# Altium PCB BoardM.PcbDoc (part 1 of 6) (continued)
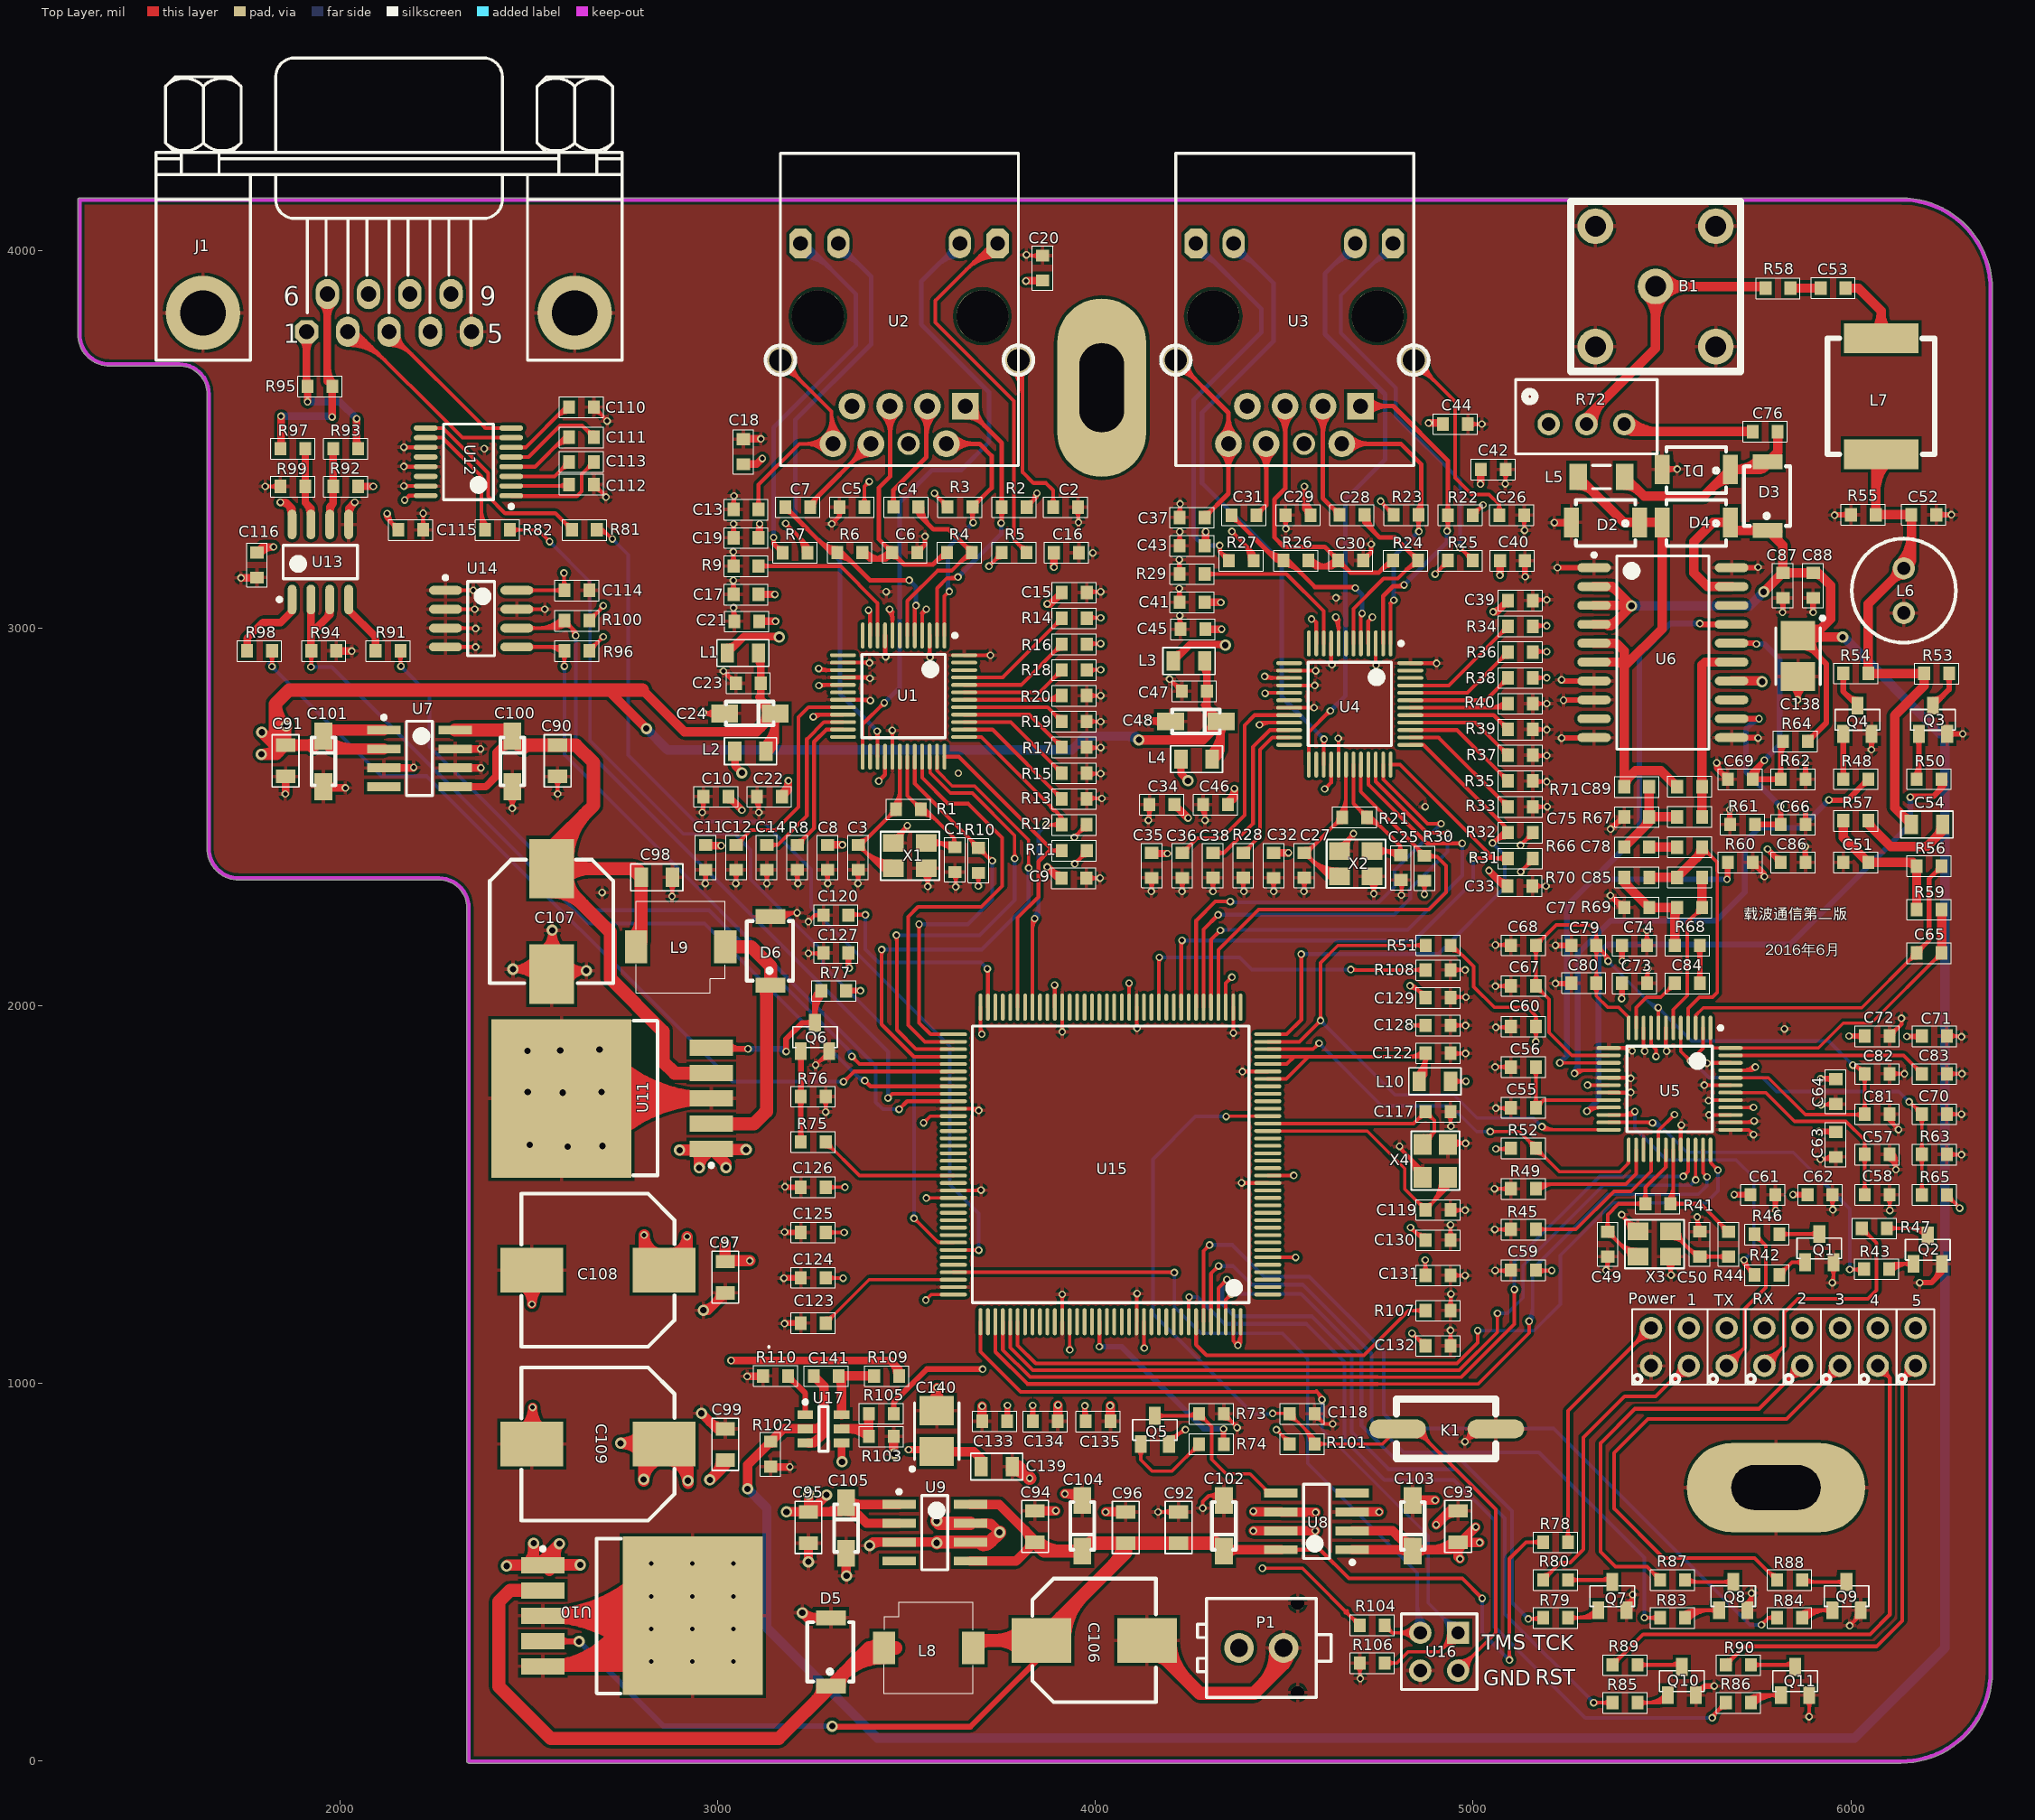
[diagram p0: Top Layer view]
## Components (designator, comment, footprint, x,y, rotation, side; value= is the part's Value field where it differs from the comment)
1 "LED" 外插小灯 5571,1147 r270 top (schematic designator LED4)
2 "LED" 外插小灯 5871,1147 r270 top (schematic designator LED5)
3 "LED" 外插小灯 5971,1147 r270 top (schematic designator LED6)
4 "LED" 外插小灯 6071,1147 r270 top (schematic designator LED7)
5 "LED" 外插小灯 6171,1147 r270 top (schematic designator LED8)
B1 "BNC" BNC 5483.98,3903.45 r0 top
C1 "Capacitor-0603" 0603 3628,2354 r90 top (schematic designator C25)
C2 "Capacitor-0603" 0603 3888,3320 r0 top (schematic designator C26)
C3 "Capacitor-0603" 0603 3372,2360 r90 top (schematic designator C27)
C4 "Capacitor-0603" 0603 3531.35,3320.56 r180 top (schematic designator C28)
C5 "Capacitor-0603" 0603 3322.25,3320 r0 top (schematic designator C29)
C6 "Capacitor-0603" 0603 3527.85,3200 r180 top (schematic designator C30)
C7 "Capacitor-0603" 0603 3179,3320 r0 top (schematic designator C31)
C8 "Capacitor-0603" 0603 3290.75,2425.85 r270 top (schematic designator C32)
C9 "Capacitor-0603" 0603 3910,2338 r0 top (schematic designator C33)
C10 "Capacitor-0603" 0603 3028,2554 r180 top (schematic designator C34)
C11 "Capacitor-0603" 0603 2968,2425.85 r270 top (schematic designator C35)
C12 "Capacitor-0805" 0603 3048.69,2425.85 r270 top (schematic designator C36)
C13 "Capacitor-0603" 0603 3108,3314 r180 top (schematic designator C37)
C14 "Capacitor-0603" 0603 3129.94,2360 r90 top (schematic designator C38)
C15 "Capacitor-0603" 0603 3911,3094 r0 top (schematic designator C39)
C16 "Capacitor-0603" 0603 3890,3199.44 r0 top (schematic designator C40)
C17 "Capacitor-0603" 0603 3108,3089.42 r180 top (schematic designator C41)
C18 "Capacitor-0603" 0603 3068,3434 r90 top (schematic designator C42)
C19 "Capacitor-0603" 0603 3108,3239.14 r180 top (schematic designator C43)
C20 "Capacitor-0603" 0603 3860,3920 r90 top (schematic designator C44)
C21 "Capacitor-0603" 0603 3110,3018 r180 top (schematic designator C45)
C22 "Capacitor-0603" 0603 3170,2554 r180 top (schematic designator C46)
C23 "Capacitor-0603" 0603 3048,2854 r0 top (schematic designator C47)
C24 "电解电容" 钽电容1206（A3216） 3148,2774 r180 top (schematic designator C48)
C25 "Capacitor-0603" 0603 4809,2333 r90 top
C26 "Capacitor-0603" 0603 5069,3299 r0 top
C27 "Capacitor-0603" 0603 4553,2339 r90 top
C28 "Capacitor-0603" 0603 4712.35,3299.56 r180 top
C29 "Capacitor-0603" 0603 4503.25,3299 r0 top
C30 "Capacitor-0603" 0603 4708.85,3179 r180 top
C31 "Capacitor-0603" 0603 4360,3299 r0 top
C32 "Capacitor-0603" 0603 4471.75,2404.85 r270 top
C33 "Capacitor-0603" 0603 5091,2317 r0 top
C34 "Capacitor-0603" 0603 4209,2533 r180 top
C35 "Capacitor-0603" 0603 4149,2404.85 r270 top
C36 "Capacitor-0805" 0603 4229.69,2404.85 r270 top
C37 "Capacitor-0603" 0603 4289,3293 r180 top
C38 "Capacitor-0603" 0603 4310.94,2339 r90 top
C39 "Capacitor-0603" 0603 5092,3073 r0 top
C40 "Capacitor-0603" 0603 5071,3178.44 r0 top
C41 "Capacitor-0603" 0603 4289,3068.42 r180 top
C42 "Capacitor-0603" 0603 5020,3420 r0 top
C43 "Capacitor-0603" 0603 4289,3218.14 r180 top
C44 "Capacitor-0603" 0603 4920,3540 r0 top
C45 "Capacitor-0603" 0603 4291,2997 r180 top
C46 "Capacitor-0603" 0603 4351,2533 r180 top
C47 "Capacitor-0603" 0603 4229,2833 r0 top
C48 "电解电容" 钽电容1206（A3216） 4329,2753 r180 top
C49 "Capacitor-0805" 0603 5356,1401.85 r270 top
C50 "Capacitor-0805" 0603 5600,1336 r90 top
C51 "Capacitor-0603" 0603 6045.85,2380 r180 top
C52 "Capacitor-0603" 0603 6160,3300 r0 top
C53 "Capacitor-0603" 0603 5920,3900 r0 top
C54 "Capacitor-0603" 0805 6160,2480 r0 top
C55 "Capacitor-0805" 0603 5100,1730 r0 top
C56 "Capacitor-0805" 0603 5100,1837.5 r0 top
C57 "Capacitor-0805" 0603 6102.57,1606.67 r180 top
C58 "Capacitor-0805" 0603 6102.57,1500 r180 top
C59 "Capacitor-0805" 0603 5100,1300 r0 top
C60 "Capacitor-0805" 0603 5100,1945 r0 top
C61 "Capacitor-0805" 0603 5800,1500 r180 top
C62 "Capacitor-0805" 0603 5951.28,1500 r180 top
C63 "Capacitor-0805" 0603 5960,1600 r90 top
C64 "Capacitor-0805" 0603 5960,1740 r90 top
C65 "Capacitor-0603" 0603 6240,2140 r180 top
C66 "Capacitor-0603" 0603 5880,2480 r180 top
C67 "Capacitor-0805" 0603 5100,2052.5 r0 top
C68 "Capacitor-0805" 0603 5100,2160 r0 top
C69 "Capacitor-0603" 0603 5740,2600 r180 top
C70 "Capacitor-0603" 0603 6253.85,1713.33 r180 top
C71 "Capacitor-0805" 0603 6253.85,1920 r180 top
C72 "Capacitor-0805" 0603 6102.57,1920 r180 top
C73 "Capacitor-0805" 0603 5460,2060 r180 top
C74 "Capacitor-0805" 0603 5460,2160 r180 top
C75 "Capacitor-0603" 0603 5465.85,2500.14 r180 top
C76 "Capacitor-0603" 0603 5740,3520 r0 top
C77 "Capacitor-0603" 0603 5400,2260 r0 top
C78 "Capacitor-0603" 0603 5540,2420 r0 top
C79 "Capacitor-0805" 0603 5260,2160 r0 top
C80 "Capacitor-0805" 0603 5260,2060 r0 top
C81 "Capacitor-0805" 0603 6102.57,1713.33 r180 top
C82 "Capacitor-0805" 0603 6102.57,1820 r180 top
C83 "Capacitor-0805" 0603 6253.85,1820 r180 top
C84 "Capacitor-0603" 0603 5600,2060 r180 top
C85 "Capacitor-0603" 0603 5540,2340 r0 top
C86 "Capacitor-0603" 0603 5880,2380 r180 top
C87 "Capacitor-0603" 0603 5820,3080 r90 top
C88 "Capacitor-0603" 0603 5900,3080 r90 top
C89 "Capacitor-0603" 0603 5540,2580 r0 top
C90 "Capacitor-0805" 0805 2576,2690 r270 top
C91 "Capacitor-0805" 0805 1856,2690 r270 top
C92 "Capacitor-0805" 0805 4220,577.32 r90 top
C93 "Capacitor-0805" 0805 4960,580 r90 top
C94 "Capacitor-0805" 0805 3840,580 r90 top
C95 "Capacitor-0805" 0805 3240,660 r270 top
C96 "Capacitor-0805" 0805 4080,660 r270 top
C97 "Capacitor-0805" 0805 3020,1240 r90 top
C98 "Capacitor-0805" 0805 2880,2340 r180 top
C99 "Capacitor-0805" 0805 3020,880 r270 top
C100 "电解电容" 钽电容1206（A3216） 2456,2710 r270 top
C101 "电解电容" 钽电容1206（A3216） 1956,2710 r270 top
C102 "电解电容" 钽电容1206（A3216） 4340,560 r90 top
C103 "电解电容" 钽电容1206（A3216） 4840,560 r90 top
C104 "电解电容" 钽电容1206（A3216） 3965,560 r90 top
C105 "电解电容" 钽电容1206（A3216） 3340,680 r270 top
C106 "电解电容" 贴片铝电容-8*10.3 4160,320 r180 top
C107 "电解电容" 贴片铝电容-8*10.3 2560,2060 r90 top
C108 "电解电容" 贴片铝电容-10*10 2480,1300 r0 top
C109 "电解电容" 贴片铝电容-10*10 2480,840 r0 top
C110 "Capacitor-0603" 0603 2606.15,3585 r0 top
C111 "Capacitor-0603" 0603 2672,3505.37 r180 top
C112 "Capacitor-0603" 0603 2606.15,3380 r0 top
C113 "Capacitor-0603" 0603 2606.15,3440 r0 top
C114 "Capacitor-0603" 0603 2660,3100 r180 top
C115 "Capacitor-0603" 0603 2220,3260 r180 top
C116 "Capacitor-0603" 0603 1780,3200 r270 top
C117 "Capacitor-0805" 0603 4940,1720 r180 top
C118 "Capacitor-0805" 0603 4580,920 r180 top
C119 "Capacitor-0805" 0603 4940,1460 r180 top
C120 "Capacitor-0603" 0603 3280,2240 r0 top
C122 "Capacitor-0805" 0603 4940,1875 r180 top
C123 "Capacitor-0603" 0603 3220,1160 r0 top
C124 "Capacitor-0805" 0603 3220,1279.89 r0 top
C125 "Capacitor-0805" 0603 3220,1399.78 r0 top
C126 "Capacitor-0805" 0603 3220,1519.66 r0 top
C127 "Capacitor-0805" 0603 3280,2140 r0 top
C128 "Capacitor-0805" 0603 4940,1948.33 r180 top
C129 "Capacitor-0805" 0603 4940,2021.67 r180 top
C130 "Capacitor-0805" 0603 4940,1380 r180 top
C131 "Capacitor-0805" 0603 4940,1286.67 r180 top
C132 "Capacitor-0805" 0603 4940,1100 r180 top
C133 "Capacitor-0805" 0603 3700,900 r0 top
C134 "Capacitor-0805" 0603 3900,900 r180 top
C135 "Capacitor-0805" 0603 4040,900 r180 top
C138 "电解电容" 3528 5860,2980 r270 top
C139 "Capacitor-0805" 0805 3780,780 r180 top
C140 "电解电容" 3528 3580,820 r90 top
C141 "Capacitor-0805" 0603 3320,1020 r180 top
D1 "SSA34" IN5824 5500,3420 r0 top
D2 "SSA34" IN5824 5260,3280 r0 top
D3 "SSA34" IN5824 5780,3440 r270 top
D4 "SSA34" IN5824 5500,3280 r0 top
D5 "IN5824" IN5824 3300,380 r270 top
D6 "IN5824" IN5824 3140,2236 r270 top
J1 "DB9" DB9 1911.46,3784.45 r0 top
K1 "按键" 贴片按键 5060,880 r180 top
L1 "Inductor" 0805 3108,2934 r180 top (schematic designator L3)
L2 "Inductor" 0805 3128,2674 r180 top (schematic designator L4)
L3 "Inductor" 0805 4289,2913 r180 top
L4 "Inductor" 0805 4309,2653 r180 top
L5 "Inductor" 1206 5340,3400 r0 top
L6 "Inductor" 工字电感0608 6140,3040 r90 top
L7 "Inductor" Inductor(7.8*7*5) 6080,3460 r90 top
L8 "Inductor" "SLF6025   电感" 3440,300 r90 top
L9 "Inductor" "SLF6025   电感" 3020,2156 r270 top
L10 "Inductor" 0805 4940,1800 r180 top
P1 "端子2" MOLEX-2 4380,300 r270 top
Power "LED" 外插小灯 5471,1147 r270 top (schematic designator LED3)
Q1 "BC847" BC847B 5879,1321 r90 top
Q2 "BC847" BC847B 6166,1317 r90 top
Q3 "BC847" BC847B 6180,2720 r90 top
Q4 "BC847" BC847B 5980,2720 r90 top
Q5 "BC587B" BC847B 4120,840 r90 top
Q6 "BC847" BC847B 3220,1880 r90 top
Q7 "BC847" BC847B 5331,400 r90 top
Q8 "BC847" BC847B 5651,400 r90 top
Q9 "BC847" BC847B 5951,400 r90 top
Q10 "BC847" BC847B 5515,175 r90 top
Q11 "BC847" BC847B 5815,175 r90 top
R1 "Resistor-0603" 0603 3472,2520 r0 top (schematic designator R21)
R2 "Resistor-0603" 0603 3752,3320 r0 top (schematic designator R22)
R3 "Resistor-0603" 0603 3674.6,3320.56 r180 top (schematic designator R23)
R4 "Resistor-0603" 0603 3672.85,3200 r180 top (schematic designator R24)
R5 "Resistor-0603" 0603 3817.85,3200 r180 top (schematic designator R25)
R6 "Resistor-0603" 0603 3382.85,3200 r180 top (schematic designator R26)
R7 "Resistor-0603" 0603 3172,3199.44 r0 top (schematic designator R27)
R8 "Resistor-0603" 0603 3210.62,2360 r90 top (schematic designator R28)
R9 "Resistor-0603" 0603 3108,3164.28 r180 top (schematic designator R29)
R10 "Resistor-0603" 0603 3690,2418 r270 top (schematic designator R30)
R11 "Resistor-0603" 0603 3911,2410.76 r0 top (schematic designator R31)
R12 "Resistor-0603" 0603 3976.85,2479.65 r180 top (schematic designator R32)
R13 "Resistor-0603" 0603 3976.85,2547.97 r180 top (schematic designator R33)
R14 "Resistor-0603" 0603 3911,3025.68 r0 top (schematic designator R34)
R15 "Resistor-0603" 0603 3976.85,2616.29 r180 top (schematic designator R35)
R16 "Resistor-0603" 0603 3911,2957.35 r0 top (schematic designator R36)
R17 "Resistor-0603" 0603 3976.85,2684.62 r180 top (schematic designator R37)
R18 "Resistor-0603" 0603 3911,2889.03 r0 top (schematic designator R38)
R19 "Resistor-0603" 0603 3976.85,2752.94 r180 top (schematic designator R39)
R20 "Resistor-0603" 0603 3976.85,2821.26 r180 top (schematic designator R40)
R21 "Resistor-0603" 0603 4653,2499 r0 top
R22 "Resistor-0603" 0603 4933,3299 r0 top
R23 "Resistor-0603" 0603 4855.6,3299.56 r180 top
R24 "Resistor-0603" 0603 4853.85,3179 r180 top
R25 "Resistor-0603" 0603 4998.85,3179 r180 top
R26 "Resistor-0603" 0603 4563.85,3179 r180 top
R27 "Resistor-0603" 0603 4353,3178.44 r0 top
R28 "Resistor-0603" 0603 4391.62,2339 r90 top
R29 "Resistor-0603" 0603 4289,3143.28 r180 top
R30 "Resistor-0603" 0603 4871,2397 r270 top
R31 "Resistor-0603" 0603 5092,2389.76 r0 top
R32 "Resistor-0603" 0603 5157.85,2458.65 r180 top
R33 "Resistor-0603" 0603 5157.85,2526.97 r180 top
R34 "Resistor-0603" 0603 5092,3004.68 r0 top
R35 "Resistor-0603" 0603 5157.85,2595.29 r180 top
R36 "Resistor-0603" 0603 5092,2936.35 r0 top
R37 "Resistor-0603" 0603 5157.85,2663.62 r180 top
R38 "Resistor-0603" 0603 5092,2868.03 r0 top
R39 "Resistor-0603" 0603 5157.85,2731.94 r180 top
R40 "Resistor-0603" 0603 5157.85,2800.26 r180 top
R41 "Resistor-0805" 0603 5456,1476 r0 top
R42 "Resistor-0805" 0603 5811,1287.56 r180 top
R43 "Resistor-0805" 0603 6035,1303 r0 top
R44 "Resistor-0805" 0603 5676,1401.85 r270 top
R45 "Resistor-0805" 0603 5165.85,1408.06 r180 top
R46 "Resistor-0805" 0603 5811,1395 r180 top
R47 "Resistor-0805" 0603 6095,1411 r180 top
R48 "Resistor-0603" 0603 5980,2600 r0 top
R49 "Resistor-0805" 0603 5165.85,1515.56 r180 top
R50 "Resistor-0603" 0603 6174.15,2600 r0 top
R51 "Resistor-0805" 0603 4874.15,2160 r0 top
R52 "Resistor-0805" 0603 5165.85,1623.06 r180 top
R53 "Resistor-0603" 0603 6260,2880 r180 top
R54 "Resistor-0603" 0603 5980,2880 r0 top
R55 "Resistor-0603" 0603 6000,3300 r0 top
R56 "Resistor-0603" 0603 6174.15,2369.72 r0 top
R57 "Resistor-0603" 0603 6045.85,2490.28 r180 top
R58 "Resistor-0603" 0603 5840,3900 r180 top
R59 "Resistor-0603" 0603 6174.15,2254.58 r0 top
R60 "Resistor-0603" 0603 5740,2380 r180 top
R61 "Resistor-0603" 0603 5680,2480 r0 top
R62 "Resistor-0603" 0603 5880,2600 r180 top
R63 "Resistor-0603" 0603 6253.85,1606.67 r180 top
R64 "Resistor-0603" 0603 5820,2700 r0 top
R65 "Resistor-0603" 0603 6188,1499.44 r0 top
R66 "Resistor-0603" 0603 5465.85,2420.28 r180 top
R67 "Resistor-0603" 0603 5540,2500 r0 top
R68 "Resistor-0603" 0603 5600,2160 r180 top
R69 "Resistor-0603" 0603 5540,2260 r0 top
R70 "Resistor-0603" 0603 5400,2339.86 r0 top
R71 "Resistor-0603" 0603 5465.85,2580 r180 top
R72 "Res_" 3296电位器 5400,3540 r180 top
R73 "Resistor-0603" 0603 4340,920 r180 top
R74 "Resistor-0603" 0603 4274.15,839.44 r0 top
R75 "Resistor-0603" 0603 3220,1639.55 r0 top
R76 "Resistor-0603" 0603 3285.85,1760 r180 top
R77 "Resistor-0603" 0603 3340,2040 r180 top
R78 "Resistor-0603" 0603 5251,580 r180 top
R79 "Resistor-0603" 0603 5251,380 r180 top
R80 "Resistor-0603" 0603 5251,480 r180 top
R81 "Resistor-0603" 0603 2680,3260 r180 top
R82 "Resistor-0603" 0603 2450,3260 r180 top
R83 "Resistor-0603" 0603 5561,380 r180 top
R84 "Resistor-0603" 0603 5871,380 r180 top
R85 "Resistor-0603" 0603 5435,155 r180 top
R86 "Resistor-0603" 0603 5735,155 r180 top
R87 "Resistor-0603" 0603 5561,480 r180 top
R88 "Resistor-0603" 0603 5871,480 r180 top
R89 "Resistor-0603" 0603 5435,255 r180 top
R90 "Resistor-0603" 0603 5735,255 r180 top
R91 "Resistor-0603" 0603 2160,2940 r180 top
R92 "Resistor-0603" 0603 2048,3375 r180 top
R93 "Resistor-0603" 0603 2048,3475 r180 top
R94 "Resistor-0603" 0603 1990,2940 r180 top
R95 "Resistor-0603" 0603 1980,3640 r180 top
R96 "Resistor-0603" 0603 2660,2940 r180 top
R97 "Resistor-0603" 0603 1842.15,3475 r0 top
R98 "Resistor-0603" 0603 1820,2940 r180 top
R99 "Resistor-0603" 0603 1908,3375 r180 top
R100 "Resistor-0603" 0603 2660,3020 r180 top
R101 "Resistor-0805" 0603 4580,840 r180 top
R102 "Resistor-0603" 0603 3140,780 r90 top
R103 "Resistor-0603" 0603 3465.85,860 r180 top
R104 "Resistor-0805" 0603 4700,360 r0 top
R105 "Resistor-0603" 0603 3400,920 r0 top
R106 "Resistor-0805" 0603 4765.85,260 r180 top
R107 "Resistor-0805" 0603 4940,1193.33 r180 top
R108 "Resistor-0805" 0603 4940,2095 r180 top
R109 "Resistor-0603" 0603 3480,1020 r180 top
R110 "Resistor-0603" 0603 3120,1020 r0 top
RX "LED" 外插小灯 5771,1147 r270 top (schematic designator LED2)
TX "LED" 外插小灯 5671,1147 r270 top (schematic designator LED1)
U1 "W5500" W5500 3492,2820 r270 top (schematic designator U3)
U2 "RJ45" RJ45 3795.9,3709.45 r90 top (schematic designator U4)
U3 "RJ45" RJ45 4842.64,3709.45 r90 top
U4 "W5500" W5500 4673.2,2799 r270 top
U5 "SM2200" SM2200 5520,1780 r270 top
U6 "OPA564AIDWDR" OPA564AIDWDR 5320,3160 r0 top
U7 "LT1963" LT1963 2116,2730 r0 top
U8 "LT1963" LT1963 4680,560 r180 top
U9 "LT1963" LT1963 3480,680 r0 top
U10 "LM2596" LM2596 2540,520 r0 top
U11 "LM2596" LM2596 2980,1620 r180 top
U12 "MAX3232" MAX3232 2340,3440 r180 top
U13 "MAX3485" MAX3485 1948,3175 r90 top
U14 "AT24C02" AT24C02 2280,3100 r0 top
U15 "STM32F407ZET6" "Stm32f407ZET6 - duplicate" 4040,1580 r180 top
U16 "Header 2X2" HDR2X2 4960,340 r180 top
U17 "FDC6326L" FDC6326L 3280,880 r0 top
X1 "3225无源晶振" 3225无源晶振 3465,2364 r0 top (schematic designator X2)
X2 "3225无源晶振" 3225无源晶振 4646,2343 r0 top
X3 "3225无源晶振" 3225无源晶振 5436,1336 r0 top
X4 "3225无源晶振" 3225无源晶振 4933,1546 r90 top

## Footprints (in the part's own frame and the unit in brackets; to place one, negate y for a bottom-side part, rotate by r counter-clockwise, add the part's x,y. Pads: shape width x height; smd on the part's side, far side on the other; paste and mask are expansions set on the pad)
0603 [mm] "0603"
  rect 0.8x0.9 smd: 1(0,0) 2(1.676,0)
  silkscreen extent -0.65,-0.69 2.32,0.7, body extent 0.1,-0.4 1.7,0.4, height 0.5
0805 [mm] "Chip Resistor, 2-Leads, Body 2.0x1.2mm, IPC Medium Density"
  rect 0.9x1.3 smd: 1(0,0) 2(2.1,0)
  silkscreen extent -0.7,-0.9 2.8,0.9, body extent 0.05,-0.6 2.05,0.6, height 0.5
1206 [mm]
  rect 1.18x1.76 smd: 1(-1.565,0) 2(1.565,0)
  silkscreen extent -0.6,-0.78 0.6,0.78, body extent -1.7,-0.87 1.7,0.87, height 1
3225无源晶振 [mm]
  rect 1.4x1.2 smd: 1(0,0) 2(2.2,0) 3(2.2,1.7) 4(0,1.7)
  silkscreen extent -0.86,-0.79 3.1,2.46
3296电位器 [mm]
  round 1.5 hole 0.9: 1(0,0) 2(2.54,0) 3(5.08,0)
  silkscreen extent -2.22,-3 7.3,2
3528 [mm]
  rect 1.95x2.3 smd: 1(2.75,0) 2(0,0)
  silkscreen extent -1.3,-1.5 3.27,1.78, body extent -0.48,-1.5 3.22,1.5, height 2.1
AT24C02 [mm]
  oval 2.2x0.6 smd: 1(-0.025,0) 2(-0.025,-1.27) 3(-0.025,-2.54) 4(-0.025,-3.81) 5(4.775,-3.81) 6(4.775,-2.54) 7(4.775,-1.27) 8(4.775,0)
  silkscreen extent -0.15,-4.41 3.27,0.97, body extent 0.38,-4.41 4.37,0.6, height 1.75
BC847B [mm] "SOT23, 3-Leads, Body 2.90x2.45mm, Pitch 0.95mm, IPC Medium Density"
  rect 1.2x0.8 smd: 1(0,-1.9) 2(0,0) 3(1.9,-0.95)
  silkscreen extent 0.24,-2.45 1.63,0.55, body extent 0.25,-2.45 1.65,0.55, height 1.1
BNC [mm]
  round 2.4 hole 1.4: 1(-4.075,-4.025) 1(-4.075,4.075) 1(4.025,-4.025) 1(4.025,4.075) 2(-0.025,0.025)
  silkscreen extent -5.74,-5.69 5.69,5.74
DB9 [mil]
  round 196.67 hole 120: 0(-274.17,50) 10(710,50)
  oct 62x62 hole 40: 1(0,0)
  oval 62x80 hole 40: 2(109.17,0) 3(218.33,0) 4(327.5,0) 5(436.67,0) 6(55,100) 7(164.17,100) 8(273.33,100) 9(382.5,100)
  silkscreen extent -398,-75 835,725
FDC6326L [mm] "SOT23, 6-Leads"
  rect 1.05x0.6 smd: 1(-1.225,0.95) 2(-1.225,0) 3(-1.225,-0.95) 4(1.225,-0.95) 5(1.225,0) 6(1.225,0.95)
  silkscreen extent -1.35,-1.5 0.3,1.92, body extent -0.84,-1.5 0.84,1.5, height 1.1
HDR2X2 [mm] "Connector; Header; 2x2 Position"
  rect 1.5x1.5 hole 0.9: 1(0,0)
  round 1.5 hole 0.9: 2(0,2.54) 3(2.54,0) 4(2.54,2.54)
  silkscreen extent -1.27,-1.27 3.81,3.81
IN5824 [mm]
  rect 1x2 smd: 1(0,0) 2(4.6,0)
  silkscreen extent 0.3,-1.6 4.3,1.5
Inductor(7.8*7*5) [mm]
  rect 2x5 smd: 1(0,0) 2(7.8,0)
  silkscreen extent 0,-3.6 7.8,3.6
LM2596 [mm]
  rect 2.9x1.1 smd: 1(-0.076,-0.025) 2(-0.076,-1.725) 3(-0.076,-3.425) 4(-0.076,-5.125) 5(-0.076,-6.825)
  rect 9.4x10.65 smd: 6(10,-3.425)
  silkscreen extent -0.2,-8.66 5.18,1.75, body extent 4.29,-8.6 13.18,1.8, height 4.57
LT1963 [mm]
  rect 2.25x0.6 smd: 1(0,0) 2(0,-1.27) 3(0,-2.54) 4(0,-3.81) 5(4.8,-3.81) 6(4.8,-2.54) 7(4.8,-1.27) 8(4.8,0)
  silkscreen extent -0.12,-4.41 3.27,0.97, body extent 0.41,-4.41 4.4,0.6, height 1.75
MAX3232 [mm]
  oval 1.6x0.35 smd: 1(-2.875,2.275) 2(-2.875,1.625) 3(-2.875,0.975) 4(-2.875,0.325) 5(-2.875,-0.325) 6(-2.875,-0.975) 7(-2.875,-1.625) 8(-2.875,-2.275) 9(2.875,-2.275) 10(2.875,-1.625) 11(2.875,-0.975) 12(2.875,-0.325) 13(2.875,0.325) 14(2.875,0.975) 15(2.875,1.625) 16(2.875,2.275)
  silkscreen extent -3,-2.55 1.68,3.12, body extent -2.25,-2.55 2.25,2.55, height 1.1
MAX3485 [mm]
  oval 2x0.6 smd: 1(-2.525,1.905) 2(-2.525,0.635) 3(-2.525,-0.635) 4(-2.525,-1.905) 5(2.525,-1.905) 6(2.525,-0.635) 7(2.525,0.635) 8(2.525,1.905)
  silkscreen extent -2.65,-2.5 1.13,2.88, body extent -2,-2.5 2,2.5, height 1.75
MOLEX-2 [mm]
  round 2 hole 1.2: 1(0,0) 2(0,3)
  round 0.9 hole 0.9: 2(-3,3.94) 2(3,3.94)
  silkscreen extent -3.32,-2.8 3.32,6.2
OPA564AIDWDR [mm] "SOP, 20-Leads, Body 12.82x7.52mm, Pitch 1.27mm, IPC Medium Density"